# Altium PCB PMT_simulator.PcbDoc (part 4 of 5) (continued)
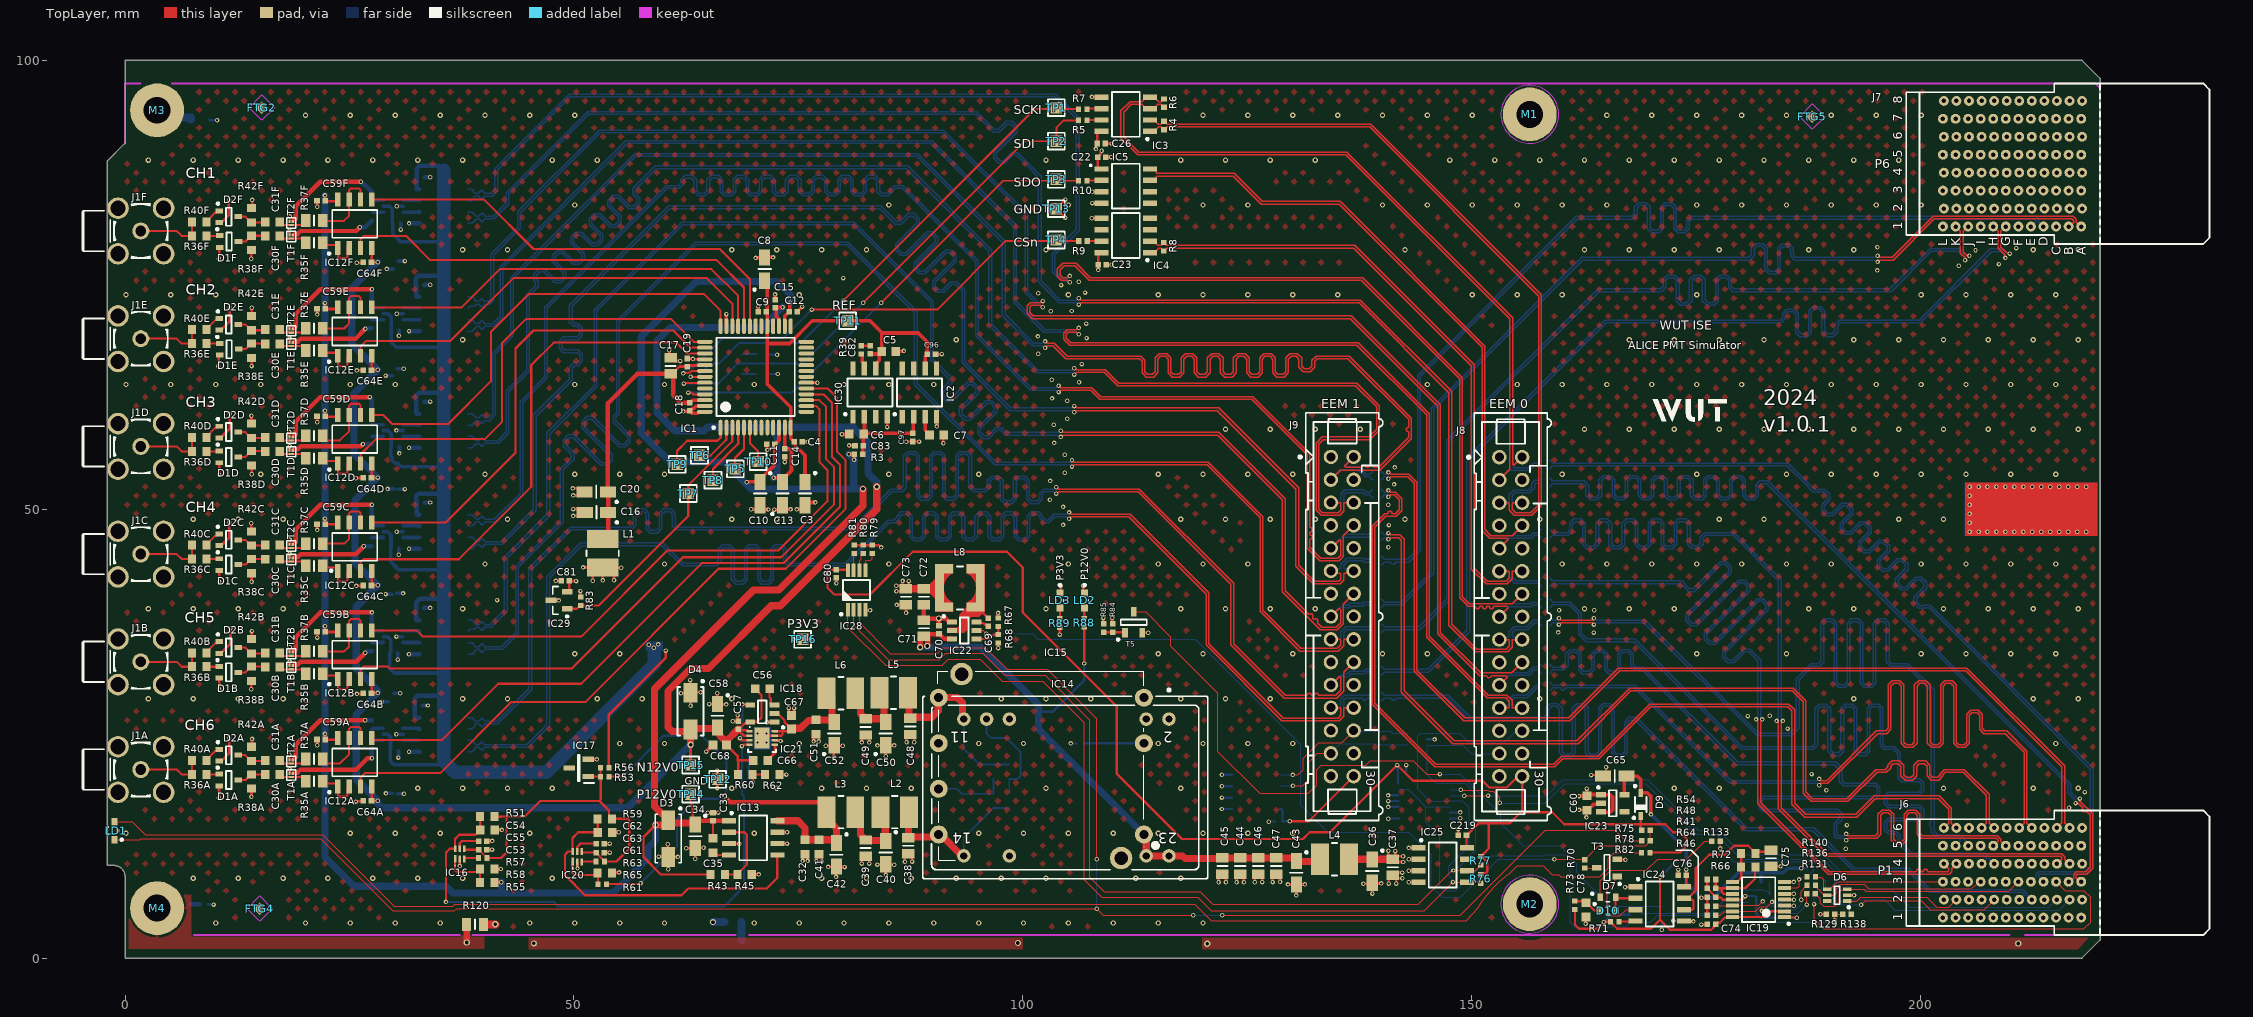
[diagram p0: TopLayer view]
## Nets (pads, with @x,y where several pads share a name; then routed paths per layer and width w, separated by ;. In a path a pad name is that pad's centre, name@x,y a point inside that pad or via, vN(x,y) a via of type N, cw(c..) or ccw(c..) an arc to the next point about the centre after c; other vN are vias at no path point) (continued)
LVTTL4: R12.1 T2F.1 | length 11.5
  TopLayer w0.5: 19,82.385 19,83.75 21.75,86.5 v1(26.25,86.5)
  BottomLayer w0.5: v1(26.25,86.5) 26.633,86.117 26.745,86.117 27.44,85.422 27.44,85.402 27.48,85.362 R12.1@27.5,85.362
LVTTL5: R14.1 T1F.1 | length 9.3
  TopLayer w0.5: 18.863,80.659 19.216,80.659 19.557,81 25.75,81 v1@26.157,81.407
  BottomLayer w0.5: v1(26.151,81.413) 26.735,81.413 27.48,82.158 R14.1@27.5,82.158
LVTTL6: R16.1 T2E.1 | length 12.2
  TopLayer w0.5: 19,70.385 19,71.75 21.75,74.5 v1(27.5,74.5)
  BottomLayer w0.5: R16.1@27.5,73.329 v1(27.5,74.5)
LVTTL7: R18.1 T1E.1 | length 9.3
  TopLayer w0.5: 18.863,68.659 19.216,68.659 19.557,69 20.157,69 25.673,69 v1(26.771,70.098)
  BottomLayer w0.5: v1(26.771,70.098) 26.829,70.156 R18.1@27.5,70.156
LVTTL8: R20.1 T2D.1 | length 13
  TopLayer w0.5: 19,58.385 19,59.75 21.75,62.5 v1(27.25,62.5)
  BottomLayer w0.5: v1(27.25,62.5) 27.5,62.25 R20.1@27.5,60.381
LVTTL9: R22.1 T1D.1 | length 8.9
  TopLayer w0.5: 18.863,56.659 19.216,56.659 19.557,57 26.25,57 v1(26.5,57.25)
  BottomLayer w0.5: v1(26.5,57.25) 27.462,57.25 R22.1@27.5,57.212
LVTTL10: R24.1 T2C.1 | length 12.4
  TopLayer w0.5: 19,46.385 19,47.75 21.75,50.5 v1(27.5,50.5)
  BottomLayer w0.5: R24.1@27.5,49.057 v1(27.5,50.5)
LVTTL11: R26.1 T1C.1 | length 9.1
  TopLayer w0.5: 18.863,44.659 19.216,44.659 19.557,45 20.18,45 25.715,45 v1(26.579,45.863)
  BottomLayer w0.5: v1(26.579,45.863) v1(26.579,45.863) R26.1@27.5,45.862
LVTTL12: R28.1 T2B.1 | length 12.1
  TopLayer w0.5: 19,34.385 19,35.75 21.75,38.5 v1(27.5,38.5)
  BottomLayer w0.5: R28.1@27.5,37.359 v1(27.5,38.5)
LVTTL13: R30.1 T1B.1 | length 9.3
  TopLayer w0.5: 18.863,32.659 19.216,32.659 19.557,33 25.75,33 v1(26.75,34)
  BottomLayer w0.5: v1(26.75,34) 26.921,34.171 27.46,34.171 R30.1@27.5,34.211
LVTTL14: R32.1 T2A.1 | length 11
  TopLayer w0.5: 19,22.385 19,23.75 21.75,26.5 v1(26.75,26.5)
  BottomLayer w0.5: v1(26.75,26.5) 26.77,26.48 27.46,26.48 R32.1@27.5,26.44
LVTTL15: R34.1 T1A.1 | length 10.4
  TopLayer w0.5: 18.863,20.659 19.216,20.659 19.557,21 25.75,21 27,22.25 v1(27.5,22.25)
  BottomLayer w0.5: v1(27.5,22.25) R34.1@27.5,23.31
N12V0A: C13.2 C14.2 C15.2 C56.1 C57.2 C58.2 C64A.2 C64B.2 C64C.2 C64D.2 C64E.2 C64F.2 C66.1 C68.2 D4.2 IC1.12 IC1.29 IC12A.4 IC12B.4 IC12C.4 IC12D.4 IC12E.4 IC12F.4 IC18.5 IC21.1 IC21.2 R60.2 TP15.1 | length 256.2
  TopLayer w0.254: C57.2@68.307,25.488 68.49,25.305 68.49,25.153 68.639,25.004 68.709,25.004 68.952,24.761 69.565,24.761 IC21.2@69.567,24.759 ; C57.2@68.49,25.382 69.308,25.382 69.425,25.265 69.425,25.261 69.427,25.259 IC21.1@69.567,25.259 ; C57.2@68.572,25.671 69.053,26.152 69.502,26.152 IC18.5@69.65,26.3 69.67,26.32 70.432,26.32 70.912,26.8 70.912,29.263 70.2,29.975 C56.1@70.2,30
  TopLayer w0.3: C64A.2@27.45,17.5 C64A.2@27.466,17.516 ; C64B.2@27.45,29.5 C64B.2@27.466,29.516 ; C64C.2@27.45,41.5 C64C.2@27.466,41.516 ; C64D.2@27.45,53.5 C64D.2@27.466,53.516 ; C64E.2@27.45,65.5 C64E.2@27.466,65.516 ; C64F.2@27.45,77.5 C64F.2@27.466,77.516 ; IC12A.4@27.495,18.405 27.495,17.545 C64A.2@27.466,17.516 ; IC12B.4@27.495,30.405 27.495,29.545 C64B.2@27.466,29.516 ; IC12C.4@27.495,42.405 27.495,41.545 C64C.2@27.466,41.516 ; IC12D.4@27.495,54.405 27.495,53.545 C64D.2@27.466,53.516 ; IC12E.4@27.495,66.405 27.495,65.545 C64E.2@27.466,65.516 ; IC12F.4@27.495,78.405 27.495,77.545 C64F.2@27.466,77.516 ; v1(28.137,17.531) 28.121,17.516 C64A.2@27.466,17.516 ; v1(28.137,29.531) 28.121,29.516 C64B.2@27.466,29.516 ; v1(28.137,41.531) 28.121,41.516 C64C.2@27.466,41.516 ; v1(28.137,53.531) 28.121,53.516 C64D.2@27.466,53.516 ; v1(28.137,65.531) 28.121,65.516 C64E.2@27.466,65.516 ; v1(28.137,77.531) 28.121,77.516 C64F.2@27.466,77.516 ; TP15.1@63,21.5 v3(63,23.75) ; C68.2@67,23.75 68.25,22.5 68.25,22.03 ; R60.2@68.3,20.44 68.3,21.98 68.25,22.03 ; C66.1@70.006,22.03 68.25,22.03
  TopLayer w0.4: v1(72.25,53.5) 72.825,53.5 73.25,53.075 C13.2@73.25,53.05 ; IC1.29@72.849,70.401 72.84,70.41 72.84,71.213 72.53,71.523 72.53,72.323 C15.2@72.42,72.433 72.468,72.481 73.231,72.481 v1(73.25,72.5) ; C13.2@73.25,53.325 74.25,54.325 74.25,56.5 74,56.75 C14.2@73.5,56.75 IC1.12@73.5,59.1
  TopLayer w0.8: v3(63,23.75) D4.2@63,25.45 ; C58.2@65.875,25.575 63.125,25.575 D4.2@63,25.45 ; C58.2@66,25.7 66.225,25.475 66.225,24.83 66.9,24.155 C68.2@66.9,23.85 ; C68.2@66.937,24.118 C57.2@68.307,25.488 ; v3(83.75,52.5) 83.75,50 73,39.25 72,39.25 65,32.25 63,32.25 60.5,29.75 60.5,25.719 60.969,25.25 62.8,25.25 D4.2@63,25.45
  BottomLayer w0.8: v1(28.137,77.531) 25.25,74.644 25.25,68.418 v1(28.137,65.531) 25.5,62.894 25.5,56.168 v1(28.137,53.531) 25.618,51.013 25.618,44.05 v1(28.137,41.531) 25.75,39.144 25.75,32.25 28.137,29.863 v1(28.137,29.531) 25.75,27.144 25.75,19.918 v1(28.137,17.531) 28.137,17.219 28.605,16.75 56,16.75 v3(63,23.75) ; v1(72.25,53.5) 72.643,53.893 72.643,59.127 ; v1(73.25,72.5) 71,70.25 60.719,70.25 59.25,68.781 59.25,60.75 61.25,58.75 64.5,58.75 64.877,59.127 72.643,59.127 ; v3(83.75,52.5) 83.75,53.014 82.755,54.009 82.755,57.495 81.123,59.127 72.643,59.127
N13V0: C48.2 IC14.11 IC15.4 L5.1 R47.1 R52.1 | length 21.8
  TopLayer w0.8: L5.1@87.229,29.554 87.354,29.429 87.354,26.829 C48.2@87.479,26.704 87.604,26.829 89.889,26.829 90.604,27.544 90.604,28.959 IC15.4@90.652,29.007 92.743,29.007 93,28.75 93.311,28.439 93.311,26.754 IC14.11@93.445,26.62
  BottomLayer w0.2: IC14.11@93.445,26.62 93.445,23.305 95.2,21.55 R52.1@96.75,21.55 R47.1@98.5,21.55
N_LDO_EN: C54.2 IC16.6 IC21.4 R51.2 | length 63.5
  TopLayer w0.254: v1@35.75,6.272 35.75,11.75 36.177,12.177 IC16.6@36.761,12.177 36.761,13.261 37.225,13.725 39.039,13.725 39.567,14.253 C54.2@39.567,14.278 39.567,15.753 R51.2@39.542,15.778 ; v1(68.726,23.618) 68.792,23.618 68.932,23.757 69.565,23.757 IC21.4@69.567,23.759
  BottomLayer w0.254: v1(35.75,6.25) 47.75,6.25 48.25,5.75 66.75,5.75 68.966,7.966 68.966,18.012 68.726,18.252 v1(68.726,23.618)
NetC1_2: C1.2 R1.1 | length 1.5
  BottomLayer w0.23: R1.1@68.796,67.272 C1.2@70.275,67.272
NetC2_2: C2.2 R2.1 | length 1.5
  BottomLayer w0.23: R2.1@68.746,65.084 C2.2@70.225,65.084
NetC6_2: C6.2 C83.2 C97.2 IC2.2 IC30.2 R3.2 | length 11.7
  TopLayer w0.4: R3.2@82.181,56.134 82.202,56.155 82.202,57.09 82.242,57.131 82.242,58.321 C6.2@82.3,58.379 ; IC30.2@82.452,60.385 82.376,60.309 82.376,58.455 C6.2@82.3,58.379 ; IC2.2@87.865,60.3 87.808,60.243 87.808,58.56 87.71,58.462 82.383,58.462 C6.2@82.3,58.379
NetC7_2: C7.2 IC2.3 | length 2.3
  TopLayer w0.4: IC2.3@89.135,60.3 89.135,58.795 89.624,58.306 C7.2@89.624,58.281 C7.2@89.536,58.192
NetC30A_1: C30A.1 D1A.3 R38A.2 | length 3.3
  TopLayer w0.23: D1A.3@12.594,19.832 13.412,19.832 14.049,20.469 R38A.2@14.099,20.469 15.592,20.469 C30A.1@15.633,20.428
NetC30A_2: C30A.2 R35A.1 T1A.3 | length 3.4
  TopLayer w0.23: C30A.2@17.374,20.569 C30A.2@17.233,20.428 17.494,20.167 18.507,20.167 T1A.3@18.509,20.169 18.511,20.167 19.694,20.167 20.104,19.757 R35A.1@20.104,19.682
NetC30B_1: C30B.1 D1B.3 R38B.2 | length 3.3
  TopLayer w0.23: D1B.3@12.594,31.832 13.412,31.832 14.049,32.469 R38B.2@14.099,32.469 15.592,32.469 C30B.1@15.633,32.428
NetC30B_2: C30B.2 R35B.1 T1B.3 | length 3.4
  TopLayer w0.23: C30B.2@17.374,32.569 C30B.2@17.233,32.428 17.494,32.167 18.507,32.167 T1B.3@18.509,32.169 18.511,32.167 19.694,32.167 20.104,31.757 R35B.1@20.104,31.682
NetC30C_1: C30C.1 D1C.3 R38C.2 | length 3.3
  TopLayer w0.23: D1C.3@12.594,43.832 13.412,43.832 14.049,44.469 R38C.2@14.099,44.469 15.592,44.469 C30C.1@15.633,44.428
NetC30C_2: C30C.2 R35C.1 T1C.3 | length 3.4
  TopLayer w0.23: C30C.2@17.374,44.569 C30C.2@17.233,44.428 17.494,44.167 18.507,44.167 T1C.3@18.509,44.169 18.511,44.167 19.694,44.167 20.104,43.757 R35C.1@20.104,43.682
NetC30D_1: C30D.1 D1D.3 R38D.2 | length 3.3
  TopLayer w0.23: D1D.3@12.594,55.832 13.412,55.832 14.049,56.469 R38D.2@14.099,56.469 15.592,56.469 C30D.1@15.633,56.428
NetC30D_2: C30D.2 R35D.1 T1D.3 | length 3.4
  TopLayer w0.23: C30D.2@17.374,56.569 C30D.2@17.233,56.428 17.494,56.167 18.507,56.167 T1D.3@18.509,56.169 T1D.3@18.509,56.169 19.694,56.167 20.104,55.757 R35D.1@20.104,55.682
NetC30E_1: C30E.1 D1E.3 R38E.2 | length 3.3
  TopLayer w0.23: D1E.3@12.594,67.832 13.412,67.832 14.049,68.469 R38E.2@14.099,68.469 15.592,68.469 C30E.1@15.633,68.428
NetC30E_2: C30E.2 R35E.1 T1E.3 | length 3.4
  TopLayer w0.23: C30E.2@17.374,68.569 C30E.2@17.233,68.428 17.494,68.167 18.507,68.167 T1E.3@18.509,68.169 18.511,68.167 19.694,68.167 20.104,67.757 R35E.1@20.104,67.682
NetC30F_1: C30F.1 D1F.3 R38F.2 | length 3.3
  TopLayer w0.23: D1F.3@12.594,79.832 13.412,79.832 14.049,80.469 R38F.2@14.099,80.469 15.592,80.469 C30F.1@15.633,80.428
NetC30F_2: C30F.2 R35F.1 T1F.3 | length 3.4
  TopLayer w0.23: C30F.2@17.374,80.569 C30F.2@17.233,80.428 17.494,80.167 18.507,80.167 T1F.3@18.509,80.169 18.511,80.167 19.694,80.167 20.104,79.757 R35F.1@20.104,79.682
NetC31A_1: C31A.1 D2A.3 R42A.2 | length 3.3
  TopLayer w0.23: D2A.3@12.594,22.596 13.397,22.596 14.053,21.939 R42A.2@14.103,21.939 15.549,21.939 C31A.1@15.616,22.007
NetC31A_2: C31A.2 R37A.1 T2A.3 | length 2.8
  TopLayer w0.23: C31A.2@17.239,22.007 17.576,21.669 18.101,21.669 18.103,21.667 18.243,21.667 18.246,21.664 T2A.3@18.509,21.664 ; T2A.3@18.509,21.669 18.511,21.667 19.749,21.667 19.79,21.625 R37A.1@19.834,21.669
NetC31B_1: C31B.1 D2B.3 R42B.2 | length 3.3
  TopLayer w0.23: D2B.3@12.594,34.596 13.397,34.596 14.053,33.939 R42B.2@14.103,33.939 15.549,33.939 C31B.1@15.616,34.007
NetC31B_2: C31B.2 R37B.1 T2B.3 | length 2.8
  TopLayer w0.23: C31B.2@17.239,34.007 17.576,33.669 18.101,33.669 18.103,33.667 18.243,33.667 18.246,33.664 T2B.3@18.509,33.664 ; T2B.3@18.509,33.669 18.511,33.667 19.749,33.667 19.79,33.625 R37B.1@19.834,33.669
NetC31C_1: C31C.1 D2C.3 R42C.2 | length 3.3
  TopLayer w0.23: D2C.3@12.594,46.596 13.397,46.596 14.053,45.939 R42C.2@14.103,45.939 15.549,45.939 C31C.1@15.616,46.007
NetC31C_2: C31C.2 R37C.1 T2C.3 | length 2.8
  TopLayer w0.23: C31C.2@17.239,46.007 17.576,45.669 18.101,45.669 18.103,45.667 18.243,45.667 18.246,45.664 T2C.3@18.509,45.664 ; T2C.3@18.509,45.669 18.511,45.667 19.749,45.667 19.79,45.625 R37C.1@19.834,45.669
NetC31D_1: C31D.1 D2D.3 R42D.2 | length 3.3
  TopLayer w0.23: D2D.3@12.594,58.596 13.397,58.596 14.053,57.939 R42D.2@14.103,57.939 15.549,57.939 C31D.1@15.616,58.007
NetC31D_2: C31D.2 R37D.1 T2D.3 | length 2.8
  TopLayer w0.23: C31D.2@17.239,58.007 17.576,57.669 18.101,57.669 18.103,57.667 18.243,57.667 18.246,57.664 T2D.3@18.509,57.664 ; T2D.3@18.509,57.669 18.511,57.667 19.749,57.667 19.79,57.625 R37D.1@19.834,57.669
NetC31E_1: C31E.1 D2E.3 R42E.2 | length 3.3
  TopLayer w0.23: D2E.3@12.594,70.596 13.397,70.596 14.053,69.939 R42E.2@14.103,69.939 15.549,69.939 C31E.1@15.616,70.007
NetC31E_2: C31E.2 R37E.1 T2E.3 | length 2.8
  TopLayer w0.23: C31E.2@17.239,70.007 17.576,69.669 18.101,69.669 18.103,69.667 18.243,69.667 18.246,69.664 T2E.3@18.509,69.664 ; T2E.3@18.509,69.669 T2E.3@18.509,69.669 19.749,69.667 19.79,69.625 R37E.1@19.834,69.669
NetC31F_1: C31F.1 D2F.3 R42F.2 | length 3.3
  TopLayer w0.23: D2F.3@12.594,82.596 13.397,82.596 14.053,81.939 R42F.2@14.103,81.939 15.549,81.939 C31F.1@15.616,82.007
NetC31F_2: C31F.2 R37F.1 T2F.3 | length 2.8
  TopLayer w0.23: C31F.2@17.239,82.007 17.576,81.669 18.101,81.669 18.103,81.667 18.243,81.667 18.246,81.664 T2F.3@18.509,81.664 ; T2F.3@18.509,81.669 18.511,81.667 19.749,81.667 19.79,81.625 R37F.1@19.834,81.669
NetC32_2: C32.2 C41.2 C42.1 IC13.8 L3.2 R53.2 R61.2 | length 63.9
  TopLayer w0.254: R61.2@53.634,8.242 57.28,8.242 57.362,8.324 v1(57.429,8.324) ; R53.2@53.9,20.19 53.93,20.22 55.47,20.22 v1(55.5,20.25)
  TopLayer w0.5: v1(67,17.75) 67.413,17.337 77.4,17.337 78.15,16.587 L3.2@78.15,16.25
  TopLayer w0.8: IC13.8@72.672,15.291 74.959,15.291 75.757,14.493 C32.2@75.757,13.176 C41.2@77.311,13.176 79.025,13.176 79.25,12.951 C42.1@79.25,12.8 79.259,12.809 79.259,14.431 78.791,14.9 78.75,14.9 78.15,15.5 L3.2@78.15,16.25
  BottomLayer w0.254: v1(55.5,20.25) 60,24.75 64.25,24.75 67,22 v1(67,17.75) 63.75,17.75 61.5,15.5 61.5,12.395 v1(57.429,8.324)
NetC35_1: C35.1 IC13.4 | length 1.9
  TopLayer w0.254: C35.1@65.5,11.75 65.769,11.481 IC13.4@67.272,11.481
NetC39_2: C39.2 C40.1 L2.2 L3.1 | length 9.4
  TopLayer w0.8: L3.1@81.35,16.25 81.95,15.65 81.95,13.7 82.2,13.45 82.2,13.275 82.325,13.15 C39.2@82.5,13.15 82.55,13.1 84.7,13.1 C40.1@84.75,13.05 ; L2.2@84.15,16.25 84.685,15.715 84.685,13.156 C40.1@84.771,13.071
NetC49_2: C49.2 C50.2 L5.2 L6.1 | length 9.1
  TopLayer w0.8: L6.1@81.35,29.5 81.95,28.9 81.95,27.2 82.2,26.95 82.2,26.775 82.325,26.65 C49.2@82.5,26.65 84.525,26.65 C50.2@84.563,26.612 ; L5.2@84.029,29.554 84.563,29.019 C50.2@84.563,26.612 ; C50.2@84.75,26.3 84.75,26.425 C50.2@84.563,26.612
NetC51_2: C51.2 C52.2 C67.2 IC18.2 IC21.7 IC21.8 IC21.9 L6.2 | length 16
  TopLayer w0.254: IC21.9@70.967,24.509 71.217,24.759 73.101,24.759 73.25,24.908 73.25,25.259 ; IC18.2@72.35,27.25 72.498,27.102 72.858,27.102 73.467,26.494 73.467,26.283 C67.2@74.25,25.5 74.027,25.277 73.75,25.277 73.732,25.259 73.25,25.259 ; IC21.8@72.367,25.259 73.25,25.259
  TopLayer w0.8: C67.2@74.25,25.5 74.348,25.598 75.249,25.598 76.126,26.475 76.925,26.475 C51.2@77,26.55 ; C51.2@77.056,26.519 C52.2@78.781,26.519 ; L6.2@78.15,29.5 78.75,28.9 78.75,27.706 78.775,27.681 78.775,26.525 C52.2@79,26.3
  other v4: 70.467,24.009 71.467,24.009 70.467,25.009 71.467,25.009
NetC55_2: C55.2 IC16.5 | length 2.9
  TopLayer w0.254: IC16.5@37.261,12.177 37.274,12.19 37.274,12.774 37.528,13.028 C55.2@39.402,13.028 C55.2@39.378,13.051
NetC56_2: C56.2 IC18.3 | length 2.2
  TopLayer w0.254: C56.2@71.8,30 71.8,29.051 71.927,28.924 71.927,28.348 72.075,28.2 IC18.3@72.35,28.2
NetC63_2: C63.2 IC20.5 | length 2.9
  TopLayer w0.254: IC20.5@50.357,11.857 50.37,11.87 50.37,12.37 50.75,12.75 C63.2@52.5,12.75 C63.2@52.45,12.7
NetC66_2: C66.2 IC21.5 | length 2.1
  TopLayer w0.3: C66.2@71.606,22.03 71.606,22.055 72.419,22.869 72.419,23.734 72.394,23.759 IC21.5@72.367,23.759
NetC69_1: C69.1 IC22.6 | length 1.5
  TopLayer w0.254: IC22.6@94.85,37.45 94.983,37.317 95.611,37.317 95.802,37.126 96,37.126 C69.1@96.183,36.943
NetC69_2: C69.2 IC22.2 L8.1 | length 3.8
  TopLayer w0.254: L8.1@95.288,41.229 95.636,40.881 95.636,38.39 C69.2@96.183,37.843
NetC75_2: C75.2 IC24.6 IC24.7 R72.2 | length 17.4
  TopLayer w0.254: IC24.6@173.664,5.39 173.678,5.376 174.601,5.376 174.75,5.525 174.75,6.342 174.601,6.491 173.833,6.491 IC24.7@173.664,6.66 174.139,6.66 175,7.521 175,10 176.5,11.5 178.25,11.5 179.252,12.502 180.845,12.502 181.65,11.697 R72.2@181.65,11.647 181.833,11.829 183.279,11.829 C75.2@183.5,12.05
NetC77_2: C77.2 IC24.5 | length 1.7
  TopLayer w0.254: IC24.5@173.664,4.12 173.689,4.095 174.71,4.095 v1(174.735,4.07)
  BottomLayer w0.254: C77.2@174.123,4.123 174.149,4.097 174.709,4.097 v1(174.735,4.07)
NetC78_2: C78.2 D10.1 R73.2 | length 3
  TopLayer w0.254: R73.2@161.524,6.337 162.604,6.337 C78.2@162.774,6.167 162.799,6.167 163.678,5.288 D10.1@164.114,5.288
NetC82_2: C82.2 R39.1 | length 1
  TopLayer w0.3: R39.1@82,68.22 82.01,68.21 82.99,68.21 C82.2@83,68.2
NetD1A_1: D1A.1 R36A.2 | length 1.5
  TopLayer w0.23: R36A.2@9.05,20.454 10.466,20.454 D1A.1@10.494,20.482
NetD1B_1: D1B.1 R36B.2 | length 1.5
  TopLayer w0.23: R36B.2@9.05,32.454 10.466,32.454 D1B.1@10.494,32.482
NetD1C_1: D1C.1 R36C.2 | length 1.5
  TopLayer w0.23: R36C.2@9.05,44.454 10.466,44.454 D1C.1@10.494,44.482
NetD1D_1: D1D.1 R36D.2 | length 1.5
  TopLayer w0.23: R36D.2@9.05,56.454 10.466,56.454 D1D.1@10.494,56.482
NetD1E_1: D1E.1 R36E.2 | length 1.5
  TopLayer w0.23: R36E.2@9.05,68.454 10.466,68.454 D1E.1@10.494,68.482
NetD1F_1: D1F.1 R36F.2 | length 1.5
  TopLayer w0.23: R36F.2@9.05,80.454 10.466,80.454 D1F.1@10.494,80.482
NetD2A_1: D2A.1 R40A.2 | length 2
  TopLayer w0.23: R40A.2@9.05,22 9.05,22.05 10.061,23.061 10.309,23.061 D2A.1@10.494,23.246
NetD2B_1: D2B.1 R40B.2 | length 2
  TopLayer w0.23: R40B.2@9.05,34 9.05,34.05 10.061,35.061 10.309,35.061 D2B.1@10.494,35.246
NetD2C_1: D2C.1 R40C.2 | length 2
  TopLayer w0.23: R40C.2@9.05,46 9.05,46.05 10.061,47.061 10.309,47.061 D2C.1@10.494,47.246
NetD2D_1: D2D.1 R40D.2 | length 2
  TopLayer w0.23: R40D.2@9.05,58 9.05,58.05 10.061,59.061 10.309,59.061 D2D.1@10.494,59.246
NetD2E_1: D2E.1 R40E.2 | length 2
  TopLayer w0.23: R40E.2@9.05,70 9.05,70.05 10.061,71.061 10.309,71.061 D2E.1@10.494,71.246
NetD2F_1: D2F.1 R40F.2 | length 2
  TopLayer w0.23: R40F.2@9.05,82 9.05,82.05 10.061,83.061 10.309,83.061 D2F.1@10.494,83.246
NetD5_4: D5.4 J6.H2 R133.2 | length 37.7
  TopLayer w0.127: v1(177.712,12.202) 177.712,12.992 R133.2@177.72,13 ; v1(193.42,5.92) 193.896,6.396 200.104,6.396 201.126,5.374 207.113,5.374 J6.H2@208.239,6.5
  BottomLayer w0.127: v1(177.712,12.202) 179.165,10.75 188.836,10.75 190.5,9.086 190.5,6.86 190.127,6.486 190.082,6.486 189.99,6.394 189.99,6.35 D5.4@189.671,6.35 ; D5.4@189.946,6.35 190.376,5.92 v1(193.42,5.92)
NetD5_6: D5.6 J6.C3 R130.2 | length 45.7
  TopLayer w0.127: v1(188.179,6.004) 188.179,4.321 189.25,3.25 218.25,3.25 219,4 219,6.75 218.25,7.5 216.139,7.5 J6.C3@215.139,8.5
  BottomLayer w0.127: v1(188.179,6.004) 188.179,7.179 188.65,7.65 D5.6@189.643,7.65 ; R130.2@188.331,9 189,9 189.5,8.5 189.5,7.793 D5.6@189.643,7.65 ; D5.6@189.671,7.65 D5.6@189.643,7.65
NetD6_1: D6.1 J6.K2 R138.2 | length 14.7
  TopLayer w0.127: D6.1@191.85,6.35 D6.1@192.139,6.35 ; R138.2@192.316,4.851 192.139,5.029 D6.1@192.139,6.35 ; J6.K2@204.039,6.5 203.182,5.643 201.857,5.643 200.75,6.75 193.359,6.75 192.959,6.35 D6.1@192.139,6.35
NetD6_3: D6.3 J6.F3 R131.2 | length 25.3
  TopLayer w0.125: R131.2@188.46,6.998 188.541,6.917 188.56,6.917 188.873,6.604 188.873,6.127 189.25,5.75 190.5,5.75 191,6.25 191,7.367 191.261,7.628 191.828,7.628 D6.3@191.85,7.65 ; D6.3@191.857,7.643 193.688,7.643 193.915,7.415 209.854,7.415 J6.F3@210.939,8.5
NetD6_4: D6.4 J6.L3 R140.2 | length 15.7
  TopLayer w0.125: R140.2@188.33,9.064 188.378,9.016 188.975,9.016 189.25,8.741 189.25,7.788 189.387,7.65 D6.4@189.65,7.65 189.925,7.65 190.775,8.5 191.983,8.5 J6.L3@202.539,8.5
NetD6_5: D6.5 J6.I3 R136.2 | length 20.2
  TopLayer w0.125: R136.2@188.33,8.115 188.557,7.887 188.557,7.753 188.646,7.664 188.682,7.664 188.793,7.553 188.793,7.517 189.172,7.137 189.513,7.137 D6.5@189.65,7 ; D6.5@189.65,6.98 190.405,6.98 190.63,7.206 190.63,7.682 191.182,8.234 193.766,8.234 194.268,7.732 194.305,7.695 202.428,7.695 ccw(c202.539,8.5) 202.613,7.691 cw(c202.623,7.566) 202.623,7.691 203.86,7.691 ccw(c203.939,8.5) 204.018,7.691 205.26,7.691 ccw(c205.339,8.5) 205.811,7.838 J6.I3@206.739,8.5
NetD7_2: D7.2 D10.2 IC24.2 | length 3.6
  TopLayer w0.254: D10.2@166.051,5.288 D7.2@166.051,6.66 ; D7.2@166.051,6.762 166.153,6.66 IC24.2@168.264,6.66
NetIC1_1: IC1.1 TP9.1 | length 8.1
  TopLayer w0.254: TP9.1@61.5,55 61.5,56.5 62.629,57.629 66.014,57.629 66.35,57.965 IC1.1@66.35,59.1
NetIC1_2: IC1.2 TP6.1 | length 5.6
  TopLayer w0.254: TP6.1@64.25,56 64.293,55.957 65.207,55.957 66.987,57.737 IC1.2@66.987,59.087 ; IC1.2@67,59.1 67,58.503 67.094,58.409 IC1.2@67.098,58.409
NetIC1_4: IC1.4 TP8.1 | length 7
  TopLayer w0.254: TP8.1@65.5,53.25 65.5,54.484 68.3,57.284 IC1.4@68.3,59.1
NetIC1_5: IC1.5 TP5.1 | length 5
  TopLayer w0.254: TP5.1@68,54.5 67.965,54.535 67.965,55.715 68.95,56.7 IC1.5@68.95,59.1
NetIC1_6: IC1.6 TP10.1 | length 4.2
  TopLayer w0.254: IC1.6@69.625,59.075 69.625,57.357 70.512,56.47 70.512,55.386 TP10.1@70.606,55.291
NetIC3_6: IC3.6 R7.2 | length 1.7
  TopLayer w0.23: R7.2@107.169,94.57 107.233,94.635 IC3.6@108.8,94.635
NetIC3_7: IC3.7 R5.2 | length 1.6
  TopLayer w0.23: R5.2@107.178,93.333 107.21,93.365 IC3.7@108.8,93.365
NetIC4_7: IC4.7 R9.2 | length 1.6
  TopLayer w0.23: R9.2@107.188,79.889 107.2,79.877 108.788,79.877 IC4.7@108.8,79.865
NetIC5_2: IC5.2 R10.2 | length 1.6
  TopLayer w0.23: R10.2@107.178,86.598 107.197,86.616 108.781,86.616 IC5.2@108.8,86.635
NetIC6_6: IC6.6 IC31.3 | length 1.8
  BottomLayer w0.4: IC31.3@30.992,83.103 32.788,83.103 IC6.6@32.8,83.115
  BottomLayer w0.5: IC6.6@32.796,83.119 IC6.6@32.8,83.115
NetIC6_7: IC6.7 IC31.1 | length 1.8
  BottomLayer w0.4: IC31.1@30.992,84.403 32.782,84.403 IC6.7@32.8,84.385
NetIC7_6: IC7.6 IC32.3 | length 1.8
  BottomLayer w0.4: IC32.3@30.994,71.132 32.783,71.132 IC7.6@32.8,71.115
NetIC7_7: IC7.7 IC32.1 | length 1.8
  BottomLayer w0.4: IC32.1@30.994,72.432 32.753,72.432 IC7.7@32.8,72.385
NetIC8_6: IC8.6 IC33.3 | length 1.8
  BottomLayer w0.4: IC33.3@30.959,58.125 32.79,58.125 IC8.6@32.8,58.115
NetIC8_7: IC8.7 IC33.1 | length 1.9
  BottomLayer w0.4: IC33.1@30.959,59.425 31.385,59.425 31.389,59.421 32.764,59.421 IC8.7@32.8,59.385
NetIC9_6: IC9.6 IC34.3 | length 1.8
  BottomLayer w0.4: IC34.3@30.973,46.85 32.785,46.85 IC9.6@32.8,46.865
NetIC9_7: IC9.7 IC34.1 | length 1.8
  BottomLayer w0.4: IC34.1@30.973,48.15 32.759,48.15 IC9.7@32.787,48.122
  BottomLayer w0.5: IC9.7@32.787,48.122 IC9.7@32.8,48.135
NetIC10_6: IC10.6 IC35.3 | length 1.9
  BottomLayer w0.4: IC35.3@30.954,35.154 32.761,35.154 IC10.6@32.8,35.115
NetIC10_7: IC10.7 IC35.1 | length 1.9
  BottomLayer w0.4: IC35.1@30.954,36.454 32.731,36.454 IC10.7@32.8,36.385
  BottomLayer w0.5: IC10.7@32.787,36.372 IC10.7@32.8,36.385
NetIC11_6: IC11.6 IC36.3 | length 1.8
  BottomLayer w0.4: IC36.3@30.964,24.278 32.772,24.278 IC11.6@32.8,24.25
NetIC11_7: IC11.7 IC36.1 | length 1.9
  BottomLayer w0.4: IC36.1@30.964,25.578 32.742,25.578 IC11.7@32.8,25.52
  BottomLayer w0.5: IC11.7@32.79,25.51 IC11.7@32.8,25.52
NetIC12A_1: IC12A.1 IC12A.2 R35A.2 | length 5.2
  TopLayer w0.23: R35A.2@22.004,19.682 22.266,19.421 23.5,19.421 23.685,19.236 IC12A.1@23.685,19.1 23.715,19.07 23.715,18.101 23.85,17.966 24.635,17.966 24.77,18.101 IC12A.2@24.77,19.1
NetIC12A_6: IC12A.6 IC12A.7 R37A.2 | length 8.7
  TopLayer w0.23: R37A.2@22.004,21.669 23.919,21.669 24.955,22.705 24.955,25.542 25.163,25.75 26.052,25.75 26.225,25.577 IC12A.6@26.225,24.5
NetIC12B_1: IC12B.1 IC12B.2 R35B.2 | length 5.2
  TopLayer w0.23: R35B.2@22.004,31.682 22.214,31.473 23.5,31.473 23.685,31.288 IC12B.1@23.685,31.1 23.715,31.07 23.715,30.101 23.85,29.966 24.635,29.966 24.77,30.101 IC12B.2@24.77,31.1
NetIC12B_6: IC12B.6 IC12B.7 R37B.2 | length 8.5
  TopLayer w0.23: R37B.2@22.011,34.163 24.413,34.163 24.955,34.705 IC12B.7@24.955,36.5 24.955,37.542 25.163,37.75 26.052,37.75 26.225,37.577 IC12B.6@26.225,36.5
NetIC12C_1: IC12C.1 IC12C.2 R35C.2 | length 5.2
  TopLayer w0.23: R35C.2@22.004,43.682 22.182,43.504 23.5,43.504 23.685,43.319 IC12C.1@23.685,43.1 23.715,43.07 23.715,42.101 23.85,41.966 24.635,41.966 24.77,42.101 IC12C.2@24.77,43.1
NetIC12C_6: IC12C.6 IC12C.7 R37C.2 | length 8.5
  TopLayer w0.23: R37C.2@22.01,46.163 24.413,46.163 24.955,46.705 IC12C.7@24.955,48.5 24.955,49.542 25.163,49.75 26.052,49.75 26.225,49.577 IC12C.6@26.225,48.5
NetIC12D_1: IC12D.1 IC12D.2 R35D.2 | length 5.1
  TopLayer w0.23: R35D.2@22.004,55.682 22.317,55.369 23.5,55.369 23.685,55.184 IC12D.1@23.685,55.1 23.715,55.07 23.715,54.101 23.85,53.966 24.635,53.966 24.77,54.101 IC12D.2@24.77,55.1
NetIC12D_6: IC12D.6 IC12D.7 R37D.2 | length 8.7
  TopLayer w0.23: R37D.2@22.004,57.669 23.919,57.669 24.955,58.705 24.955,61.542 25.163,61.75 26.052,61.75 26.225,61.577 IC12D.6@26.225,60.5
NetIC12E_1: IC12E.1 IC12E.2 R35E.2 | length 5.2
  TopLayer w0.23: R35E.2@22.004,67.682 22.255,67.432 23.5,67.432 23.685,67.247 IC12E.1@23.685,67.1 23.715,67.07 23.715,66.101 23.85,65.966 24.635,65.966 24.77,66.101 IC12E.2@24.77,67.1
NetIC12E_6: IC12E.6 IC12E.7 R37E.2 | length 8.5
  TopLayer w0.23: R37E.2@22.004,70.169 22.032,70.141 24.391,70.141 24.955,70.705 IC12E.7@24.955,72.5 24.955,73.542 25.163,73.75 26.052,73.75 26.225,73.577 IC12E.6@26.225,72.5
NetIC12F_1: IC12F.1 IC12F.2 R35F.2 | length 5.5
  TopLayer w0.18: IC12F.2@24.745,79.31 IC12F.2@24.955,79.1
  TopLayer w0.23: R35F.2@22.004,79.682 22.271,79.416 23.5,79.416 23.685,79.231 IC12F.1@23.685,79.1 23.715,79.07 23.715,78.101 23.85,77.966 24.635,77.966 24.77,78.101 IC12F.2@24.77,79.1
NetIC12F_6: IC12F.6 IC12F.7 R37F.2 | length 8.5
  TopLayer w0.23: R37F.2@22.004,82.169 22.043,82.13 24.38,82.13 24.955,82.705 IC12F.7@24.955,84.5 24.955,85.542 25.163,85.75 26.052,85.75 26.225,85.577 IC12F.6@26.225,84.5
NetIC13_2: IC13.2 R43.1 R45.2 | length 8.4
  TopLayer w0.254: R43.1@66.815,9.311 R45.2@68.215,9.311 68.215,9.361 69.25,10.396 69.25,13.75 69,14 67.293,14 IC13.2@67.272,14.021
NetIC14_10: IC14.10 R44.1 R47.2 | length 12
  BottomLayer w0.2: IC14.10@95.985,26.62 95.985,25.015 96.5,24.5 98.25,24.5 99.75,23 99.75,20.25 99.45,19.95 R47.2@98.5,19.95 R44.1@98.5,18.3
NetIC15_2: IC15.2 R50.2 | length 6.6
  BottomLayer w0.254: R50.2@106.91,23.91 106.918,23.918 113.503,23.918 IC15.2@113.512,23.927
NetIC15_6: IC15.6 R49.1 R52.2 | length 8
  BottomLayer w0.2: IC15.6@90.652,18.847 92.653,18.847 93.2,18.3 R49.1@96.75,18.3 R52.2@96.75,19.95
NetIC16_1: IC16.1 R55.1 R58.2 | length 5.8
  TopLayer w0.254: IC16.1@36.761,11.077 36.761,9.814 36.999,9.576 39.224,9.576 R58.2@39.542,9.894 R55.1@39.542,8.401
NetIC16_3: IC16.3 R57.1 | length 1.7
  TopLayer w0.254: IC16.3@37.761,11.027 37.761,11.129 37.774,11.142 R57.1@39.382,11.142 R57.1@39.382,11.162